# KiCad board panel.opm-lowside.kicad_pcb (continued)
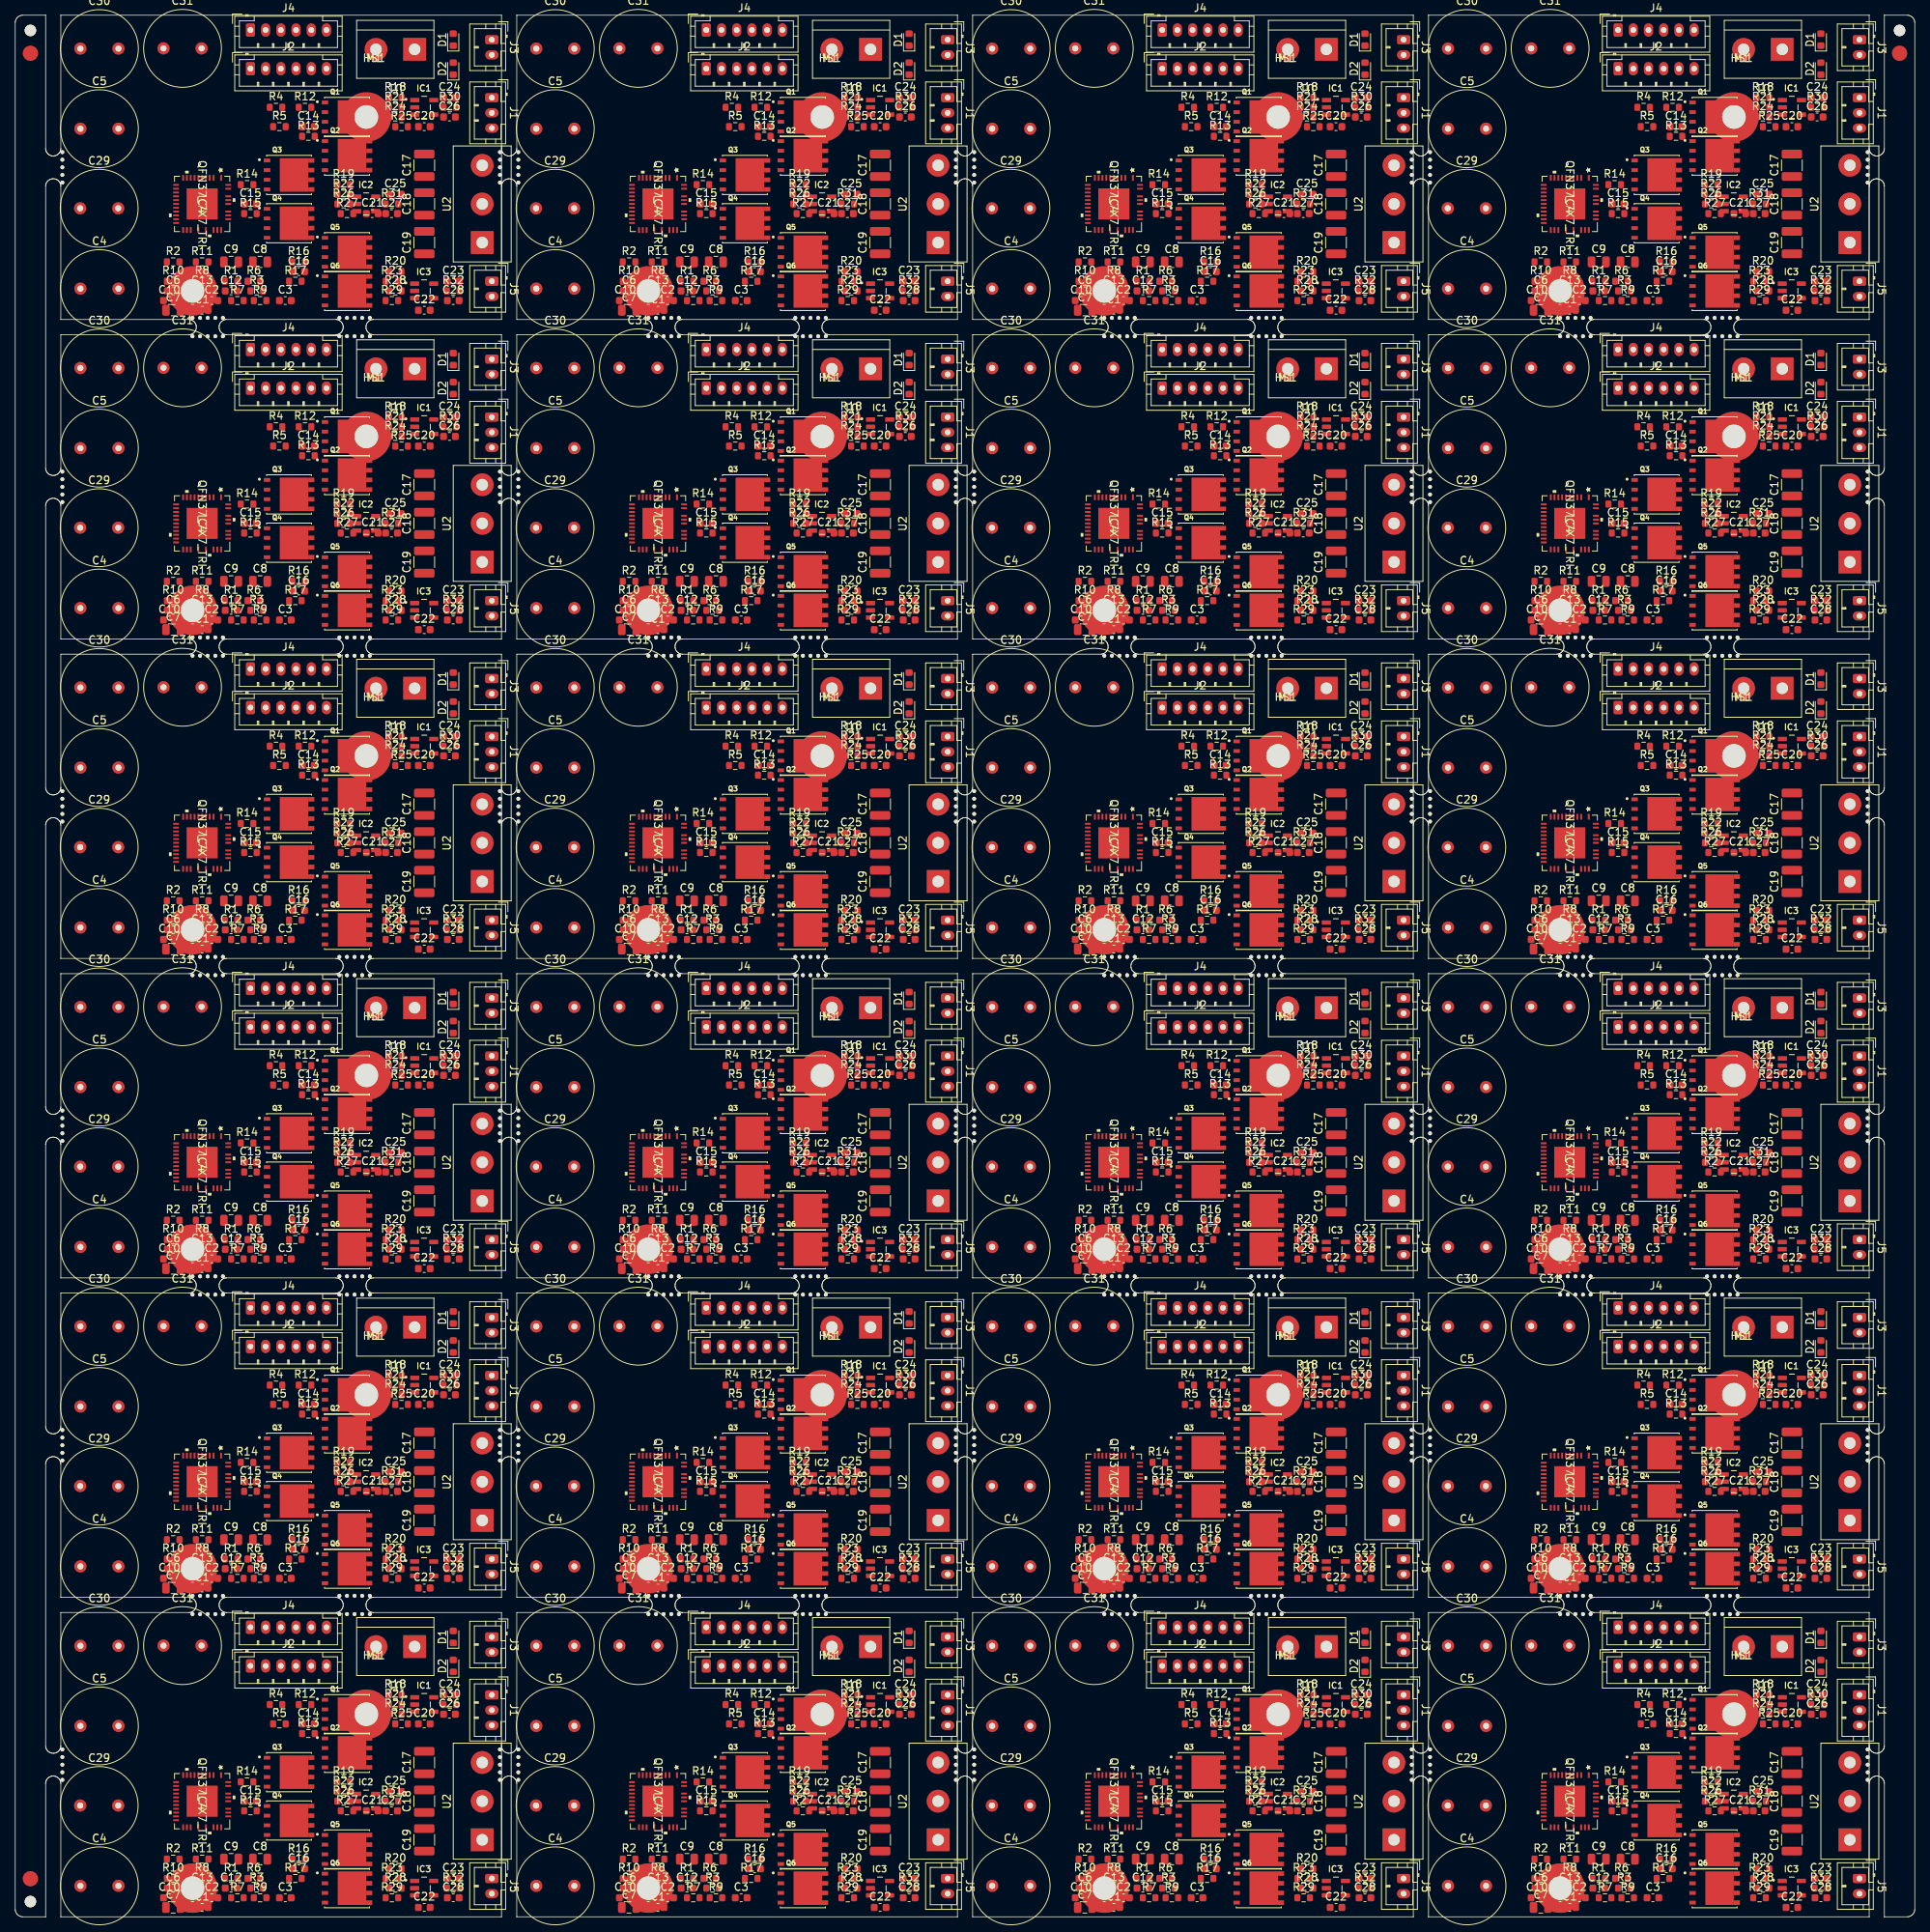
[diagram p0: board, top side]
## Placement (name value [footprint] x y rotation side) (continued)
REF**#196  -  [NPTH#2]  226.49 207.75 0 top
REF**#197  -  [NPTH#2]  207.17 168.16 0 top
REF**#198  -  [NPTH#2]  206.17 168.16 0 top
REF**#199  -  [NPTH#2]  205.17 168.16 0 top
REF**#200  -  [NPTH#2]  204.17 168.16 0 top
REF**#201  -  [NPTH#2]  203.17 168.16 0 top
REF**#202  -  [NPTH#2]  226.49 168.16 0 top
REF**#203  -  [NPTH#2]  225.49 168.16 0 top
REF**#204  -  [NPTH#2]  224.49 168.16 0 top
REF**#205  -  [NPTH#2]  223.49 168.16 0 top
REF**#206  -  [NPTH#2]  222.49 168.16 0 top
REF**#207  -  [NPTH#2]  6.2 143.97 0 top
REF**#208  -  [NPTH#2]  6.2 144.97 0 top
REF**#209  -  [NPTH#2]  6.2 145.97 0 top
REF**#210  -  [NPTH#2]  6.2 146.97 0 top
REF**#211  -  [NPTH#2]  6.2 147.97 0 top
REF**#212  -  [NPTH#2]  63.75 147.97 0 top
REF**#213  -  [NPTH#2]  63.75 146.97 0 top
REF**#214  -  [NPTH#2]  63.75 145.97 0 top
REF**#215  -  [NPTH#2]  63.75 144.97 0 top
REF**#216  -  [NPTH#2]  63.75 143.97 0 top
REF**#217  -  [NPTH#2]  23.31 165.76 0 top
REF**#218  -  [NPTH#2]  24.31 165.76 0 top
REF**#219  -  [NPTH#2]  25.31 165.76 0 top
REF**#220  -  [NPTH#2]  26.31 165.76 0 top
REF**#221  -  [NPTH#2]  27.31 165.76 0 top
REF**#222  -  [NPTH#2]  42.63 165.76 0 top
REF**#223  -  [NPTH#2]  43.63 165.76 0 top
REF**#224  -  [NPTH#2]  44.63 165.76 0 top
REF**#225  -  [NPTH#2]  45.63 165.76 0 top
REF**#226  -  [NPTH#2]  46.63 165.76 0 top
REF**#227  -  [NPTH#2]  27.31 126.17 0 top
REF**#228  -  [NPTH#2]  26.31 126.17 0 top
REF**#229  -  [NPTH#2]  25.31 126.17 0 top
REF**#230  -  [NPTH#2]  24.31 126.17 0 top
REF**#231  -  [NPTH#2]  23.31 126.17 0 top
REF**#232  -  [NPTH#2]  46.63 126.17 0 top
REF**#233  -  [NPTH#2]  45.63 126.17 0 top
REF**#234  -  [NPTH#2]  44.63 126.17 0 top
REF**#235  -  [NPTH#2]  43.63 126.17 0 top
REF**#236  -  [NPTH#2]  42.63 126.17 0 top
REF**#237  -  [NPTH#2]  66.16 143.97 0 top
REF**#238  -  [NPTH#2]  66.16 144.97 0 top
REF**#239  -  [NPTH#2]  66.16 145.97 0 top
REF**#240  -  [NPTH#2]  66.16 146.97 0 top
REF**#241  -  [NPTH#2]  66.16 147.97 0 top
REF**#242  -  [NPTH#2]  123.71 147.97 0 top
REF**#243  -  [NPTH#2]  123.71 146.97 0 top
REF**#244  -  [NPTH#2]  123.71 145.97 0 top
REF**#245  -  [NPTH#2]  123.71 144.97 0 top
REF**#246  -  [NPTH#2]  123.71 143.97 0 top
REF**#247  -  [NPTH#2]  83.27 165.76 0 top
REF**#248  -  [NPTH#2]  84.27 165.76 0 top
REF**#249  -  [NPTH#2]  85.27 165.76 0 top
REF**#250  -  [NPTH#2]  86.27 165.76 0 top
REF**#251  -  [NPTH#2]  87.27 165.76 0 top
REF**#252  -  [NPTH#2]  102.59 165.76 0 top
REF**#253  -  [NPTH#2]  103.59 165.76 0 top
REF**#254  -  [NPTH#2]  104.59 165.76 0 top
REF**#255  -  [NPTH#2]  105.59 165.76 0 top
REF**#256  -  [NPTH#2]  106.59 165.76 0 top
REF**#257  -  [NPTH#2]  87.27 126.17 0 top
REF**#258  -  [NPTH#2]  86.27 126.17 0 top
REF**#259  -  [NPTH#2]  85.27 126.17 0 top
REF**#260  -  [NPTH#2]  84.27 126.17 0 top
REF**#261  -  [NPTH#2]  83.27 126.17 0 top
REF**#262  -  [NPTH#2]  106.59 126.17 0 top
REF**#263  -  [NPTH#2]  105.59 126.17 0 top
REF**#264  -  [NPTH#2]  104.59 126.17 0 top
REF**#265  -  [NPTH#2]  103.59 126.17 0 top
REF**#266  -  [NPTH#2]  102.59 126.17 0 top
REF**#267  -  [NPTH#2]  126.11 143.97 0 top
REF**#268  -  [NPTH#2]  126.11 144.97 0 top
REF**#269  -  [NPTH#2]  126.11 145.97 0 top
REF**#270  -  [NPTH#2]  126.11 146.97 0 top
REF**#271  -  [NPTH#2]  126.11 147.97 0 top
REF**#272  -  [NPTH#2]  183.66 147.97 0 top
REF**#273  -  [NPTH#2]  183.66 146.97 0 top
REF**#274  -  [NPTH#2]  183.66 145.97 0 top
REF**#275  -  [NPTH#2]  183.66 144.97 0 top
REF**#276  -  [NPTH#2]  183.66 143.97 0 top
REF**#277  -  [NPTH#2]  143.22 165.76 0 top
REF**#278  -  [NPTH#2]  144.22 165.76 0 top
REF**#279  -  [NPTH#2]  145.22 165.76 0 top
REF**#280  -  [NPTH#2]  146.22 165.76 0 top
REF**#281  -  [NPTH#2]  147.22 165.76 0 top
REF**#282  -  [NPTH#2]  162.54 165.76 0 top
REF**#283  -  [NPTH#2]  163.54 165.76 0 top
REF**#284  -  [NPTH#2]  164.54 165.76 0 top
REF**#285  -  [NPTH#2]  165.54 165.76 0 top
REF**#286  -  [NPTH#2]  166.54 165.76 0 top
REF**#287  -  [NPTH#2]  147.22 126.17 0 top
REF**#288  -  [NPTH#2]  146.22 126.17 0 top
REF**#289  -  [NPTH#2]  145.22 126.17 0 top
REF**#290  -  [NPTH#2]  144.22 126.17 0 top
REF**#291  -  [NPTH#2]  143.22 126.17 0 top
REF**#292  -  [NPTH#2]  166.54 126.17 0 top
REF**#293  -  [NPTH#2]  165.54 126.17 0 top
REF**#294  -  [NPTH#2]  164.54 126.17 0 top
REF**#295  -  [NPTH#2]  163.54 126.17 0 top
REF**#296  -  [NPTH#2]  162.54 126.17 0 top
REF**#297  -  [NPTH#2]  186.06 143.97 0 top
REF**#298  -  [NPTH#2]  186.06 144.97 0 top
REF**#299  -  [NPTH#2]  186.06 145.97 0 top
REF**#300  -  [NPTH#2]  186.06 146.97 0 top
REF**#301  -  [NPTH#2]  186.06 147.97 0 top
REF**#302  -  [NPTH#2]  243.61 147.97 0 top
REF**#303  -  [NPTH#2]  243.61 146.97 0 top
REF**#304  -  [NPTH#2]  243.61 145.97 0 top
REF**#305  -  [NPTH#2]  243.61 144.97 0 top
REF**#306  -  [NPTH#2]  243.61 143.97 0 top
REF**#307  -  [NPTH#2]  203.17 165.76 0 top
REF**#308  -  [NPTH#2]  204.17 165.76 0 top
REF**#309  -  [NPTH#2]  205.17 165.76 0 top
REF**#310  -  [NPTH#2]  206.17 165.76 0 top
REF**#311  -  [NPTH#2]  207.17 165.76 0 top
REF**#312  -  [NPTH#2]  222.49 165.76 0 top
REF**#313  -  [NPTH#2]  223.49 165.76 0 top
REF**#314  -  [NPTH#2]  224.49 165.76 0 top
REF**#315  -  [NPTH#2]  225.49 165.76 0 top
REF**#316  -  [NPTH#2]  226.49 165.76 0 top
REF**#317  -  [NPTH#2]  207.17 126.17 0 top
REF**#318  -  [NPTH#2]  206.17 126.17 0 top
REF**#319  -  [NPTH#2]  205.17 126.17 0 top
REF**#320  -  [NPTH#2]  204.17 126.17 0 top
REF**#321  -  [NPTH#2]  203.17 126.17 0 top
REF**#322  -  [NPTH#2]  226.49 126.17 0 top
REF**#323  -  [NPTH#2]  225.49 126.17 0 top
REF**#324  -  [NPTH#2]  224.49 126.17 0 top
REF**#325  -  [NPTH#2]  223.49 126.17 0 top
REF**#326  -  [NPTH#2]  222.49 126.17 0 top
REF**#327  -  [NPTH#2]  6.2 101.98 0 top
REF**#328  -  [NPTH#2]  6.2 102.98 0 top
REF**#329  -  [NPTH#2]  6.2 103.98 0 top
REF**#330  -  [NPTH#2]  6.2 104.98 0 top
REF**#331  -  [NPTH#2]  6.2 105.98 0 top
REF**#332  -  [NPTH#2]  63.75 105.98 0 top
REF**#333  -  [NPTH#2]  63.75 104.98 0 top
REF**#334  -  [NPTH#2]  63.75 103.98 0 top
REF**#335  -  [NPTH#2]  63.75 102.98 0 top
REF**#336  -  [NPTH#2]  63.75 101.98 0 top
REF**#337  -  [NPTH#2]  23.31 123.77 0 top
REF**#338  -  [NPTH#2]  24.31 123.77 0 top
REF**#339  -  [NPTH#2]  25.31 123.77 0 top
REF**#340  -  [NPTH#2]  26.31 123.77 0 top
REF**#341  -  [NPTH#2]  27.31 123.77 0 top
REF**#342  -  [NPTH#2]  42.63 123.77 0 top
REF**#343  -  [NPTH#2]  43.63 123.77 0 top
REF**#344  -  [NPTH#2]  44.63 123.77 0 top
REF**#345  -  [NPTH#2]  45.63 123.77 0 top
REF**#346  -  [NPTH#2]  46.63 123.77 0 top
REF**#347  -  [NPTH#2]  27.31 84.18 0 top
REF**#348  -  [NPTH#2]  26.31 84.18 0 top
REF**#349  -  [NPTH#2]  25.31 84.18 0 top
REF**#350  -  [NPTH#2]  24.31 84.18 0 top
REF**#351  -  [NPTH#2]  23.31 84.18 0 top
REF**#352  -  [NPTH#2]  46.63 84.18 0 top
REF**#353  -  [NPTH#2]  45.63 84.18 0 top
REF**#354  -  [NPTH#2]  44.63 84.18 0 top
REF**#355  -  [NPTH#2]  43.63 84.18 0 top
REF**#356  -  [NPTH#2]  42.63 84.18 0 top
REF**#357  -  [NPTH#2]  66.16 101.98 0 top
REF**#358  -  [NPTH#2]  66.16 102.98 0 top
REF**#359  -  [NPTH#2]  66.16 103.98 0 top
REF**#360  -  [NPTH#2]  66.16 104.98 0 top
REF**#361  -  [NPTH#2]  66.16 105.98 0 top
REF**#362  -  [NPTH#2]  123.71 105.98 0 top
REF**#363  -  [NPTH#2]  123.71 104.98 0 top
REF**#364  -  [NPTH#2]  123.71 103.98 0 top
REF**#365  -  [NPTH#2]  123.71 102.98 0 top
REF**#366  -  [NPTH#2]  123.71 101.98 0 top
REF**#367  -  [NPTH#2]  83.27 123.77 0 top
REF**#368  -  [NPTH#2]  84.27 123.77 0 top
REF**#369  -  [NPTH#2]  85.27 123.77 0 top
REF**#370  -  [NPTH#2]  86.27 123.77 0 top
REF**#371  -  [NPTH#2]  87.27 123.77 0 top
REF**#372  -  [NPTH#2]  102.59 123.77 0 top
REF**#373  -  [NPTH#2]  103.59 123.77 0 top
REF**#374  -  [NPTH#2]  104.59 123.77 0 top
REF**#375  -  [NPTH#2]  105.59 123.77 0 top
REF**#376  -  [NPTH#2]  106.59 123.77 0 top
REF**#377  -  [NPTH#2]  87.27 84.18 0 top
REF**#378  -  [NPTH#2]  86.27 84.18 0 top
REF**#379  -  [NPTH#2]  85.27 84.18 0 top
REF**#380  -  [NPTH#2]  84.27 84.18 0 top
REF**#381  -  [NPTH#2]  83.27 84.18 0 top
REF**#382  -  [NPTH#2]  106.59 84.18 0 top
REF**#383  -  [NPTH#2]  105.59 84.18 0 top
REF**#384  -  [NPTH#2]  104.59 84.18 0 top
REF**#385  -  [NPTH#2]  103.59 84.18 0 top
REF**#386  -  [NPTH#2]  102.59 84.18 0 top
REF**#387  -  [NPTH#2]  126.11 101.98 0 top
REF**#388  -  [NPTH#2]  126.11 102.98 0 top
REF**#389  -  [NPTH#2]  126.11 103.98 0 top
REF**#390  -  [NPTH#2]  126.11 104.98 0 top
REF**#391  -  [NPTH#2]  126.11 105.98 0 top
REF**#392  -  [NPTH#2]  183.66 105.98 0 top
REF**#393  -  [NPTH#2]  183.66 104.98 0 top
REF**#394  -  [NPTH#2]  183.66 103.98 0 top
REF**#395  -  [NPTH#2]  183.66 102.98 0 top
REF**#396  -  [NPTH#2]  183.66 101.98 0 top
REF**#397  -  [NPTH#2]  143.22 123.77 0 top
REF**#398  -  [NPTH#2]  144.22 123.77 0 top
REF**#399  -  [NPTH#2]  145.22 123.77 0 top
REF**#400  -  [NPTH#2]  146.22 123.77 0 top
REF**#401  -  [NPTH#2]  147.22 123.77 0 top
REF**#402  -  [NPTH#2]  162.54 123.77 0 top
REF**#403  -  [NPTH#2]  163.54 123.77 0 top
REF**#404  -  [NPTH#2]  164.54 123.77 0 top
REF**#405  -  [NPTH#2]  165.54 123.77 0 top
REF**#406  -  [NPTH#2]  166.54 123.77 0 top
REF**#407  -  [NPTH#2]  147.22 84.18 0 top
REF**#408  -  [NPTH#2]  146.22 84.18 0 top
REF**#409  -  [NPTH#2]  145.22 84.18 0 top
REF**#410  -  [NPTH#2]  144.22 84.18 0 top
REF**#411  -  [NPTH#2]  143.22 84.18 0 top
REF**#412  -  [NPTH#2]  166.54 84.18 0 top
REF**#413  -  [NPTH#2]  165.54 84.18 0 top
REF**#414  -  [NPTH#2]  164.54 84.18 0 top
REF**#415  -  [NPTH#2]  163.54 84.18 0 top
REF**#416  -  [NPTH#2]  162.54 84.18 0 top
REF**#417  -  [NPTH#2]  186.06 101.98 0 top
REF**#418  -  [NPTH#2]  186.06 102.98 0 top
REF**#419  -  [NPTH#2]  186.06 103.98 0 top
REF**#420  -  [NPTH#2]  186.06 104.98 0 top
REF**#421  -  [NPTH#2]  186.06 105.98 0 top
REF**#422  -  [NPTH#2]  243.61 105.98 0 top
REF**#423  -  [NPTH#2]  243.61 104.98 0 top
REF**#424  -  [NPTH#2]  243.61 103.98 0 top
REF**#425  -  [NPTH#2]  243.61 102.98 0 top
REF**#426  -  [NPTH#2]  243.61 101.98 0 top
REF**#427  -  [NPTH#2]  203.17 123.77 0 top
REF**#428  -  [NPTH#2]  204.17 123.77 0 top
REF**#429  -  [NPTH#2]  205.17 123.77 0 top
REF**#430  -  [NPTH#2]  206.17 123.77 0 top
REF**#431  -  [NPTH#2]  207.17 123.77 0 top
REF**#432  -  [NPTH#2]  222.49 123.77 0 top
REF**#433  -  [NPTH#2]  223.49 123.77 0 top
REF**#434  -  [NPTH#2]  224.49 123.77 0 top
REF**#435  -  [NPTH#2]  225.49 123.77 0 top
REF**#436  -  [NPTH#2]  226.49 123.77 0 top
REF**#437  -  [NPTH#2]  207.17 84.18 0 top
REF**#438  -  [NPTH#2]  206.17 84.18 0 top
REF**#439  -  [NPTH#2]  205.17 84.18 0 top
REF**#440  -  [NPTH#2]  204.17 84.18 0 top
REF**#441  -  [NPTH#2]  203.17 84.18 0 top
REF**#442  -  [NPTH#2]  226.49 84.18 0 top
REF**#443  -  [NPTH#2]  225.49 84.18 0 top
REF**#444  -  [NPTH#2]  224.49 84.18 0 top
REF**#445  -  [NPTH#2]  223.49 84.18 0 top
REF**#446  -  [NPTH#2]  222.49 84.18 0 top
REF**#447  -  [NPTH#2]  6.2 59.99 0 top
REF**#448  -  [NPTH#2]  6.2 60.99 0 top
REF**#449  -  [NPTH#2]  6.2 61.99 0 top
REF**#450  -  [NPTH#2]  6.2 62.99 0 top
REF**#451  -  [NPTH#2]  6.2 63.99 0 top
REF**#452  -  [NPTH#2]  63.75 63.99 0 top
REF**#453  -  [NPTH#2]  63.75 62.99 0 top
REF**#454  -  [NPTH#2]  63.75 61.99 0 top
REF**#455  -  [NPTH#2]  63.75 60.99 0 top
REF**#456  -  [NPTH#2]  63.75 59.99 0 top
REF**#457  -  [NPTH#2]  23.31 81.78 0 top
REF**#458  -  [NPTH#2]  24.31 81.78 0 top
REF**#459  -  [NPTH#2]  25.31 81.78 0 top
REF**#460  -  [NPTH#2]  26.31 81.78 0 top
REF**#461  -  [NPTH#2]  27.31 81.78 0 top
REF**#462  -  [NPTH#2]  42.63 81.78 0 top
REF**#463  -  [NPTH#2]  43.63 81.78 0 top
REF**#464  -  [NPTH#2]  44.63 81.78 0 top
REF**#465  -  [NPTH#2]  45.63 81.78 0 top
REF**#466  -  [NPTH#2]  46.63 81.78 0 top
REF**#467  -  [NPTH#2]  27.31 42.19 0 top
REF**#468  -  [NPTH#2]  26.31 42.19 0 top
REF**#469  -  [NPTH#2]  25.31 42.19 0 top
REF**#470  -  [NPTH#2]  24.31 42.19 0 top
REF**#471  -  [NPTH#2]  23.31 42.19 0 top
REF**#472  -  [NPTH#2]  46.63 42.19 0 top
REF**#473  -  [NPTH#2]  45.63 42.19 0 top
REF**#474  -  [NPTH#2]  44.63 42.19 0 top
REF**#475  -  [NPTH#2]  43.63 42.19 0 top
REF**#476  -  [NPTH#2]  42.63 42.19 0 top
REF**#477  -  [NPTH#2]  66.16 59.99 0 top
REF**#478  -  [NPTH#2]  66.16 60.99 0 top
REF**#479  -  [NPTH#2]  66.16 61.99 0 top
REF**#480  -  [NPTH#2]  66.16 62.99 0 top
REF**#481  -  [NPTH#2]  66.16 63.99 0 top
REF**#482  -  [NPTH#2]  123.71 63.99 0 top
REF**#483  -  [NPTH#2]  123.71 62.99 0 top
REF**#484  -  [NPTH#2]  123.71 61.99 0 top
REF**#485  -  [NPTH#2]  123.71 60.99 0 top
REF**#486  -  [NPTH#2]  123.71 59.99 0 top
REF**#487  -  [NPTH#2]  83.27 81.78 0 top
REF**#488  -  [NPTH#2]  84.27 81.78 0 top
REF**#489  -  [NPTH#2]  85.27 81.78 0 top
REF**#490  -  [NPTH#2]  86.27 81.78 0 top
REF**#491  -  [NPTH#2]  87.27 81.78 0 top
REF**#492  -  [NPTH#2]  102.59 81.78 0 top
REF**#493  -  [NPTH#2]  103.59 81.78 0 top
REF**#494  -  [NPTH#2]  104.59 81.78 0 top
REF**#495  -  [NPTH#2]  105.59 81.78 0 top
REF**#496  -  [NPTH#2]  106.59 81.78 0 top
REF**#497  -  [NPTH#2]  87.27 42.19 0 top
REF**#498  -  [NPTH#2]  86.27 42.19 0 top
REF**#499  -  [NPTH#2]  85.27 42.19 0 top
REF**#500  -  [NPTH#2]  84.27 42.19 0 top
REF**#501  -  [NPTH#2]  83.27 42.19 0 top
REF**#502  -  [NPTH#2]  106.59 42.19 0 top
REF**#503  -  [NPTH#2]  105.59 42.19 0 top
REF**#504  -  [NPTH#2]  104.59 42.19 0 top
REF**#505  -  [NPTH#2]  103.59 42.19 0 top
REF**#506  -  [NPTH#2]  102.59 42.19 0 top
REF**#507  -  [NPTH#2]  126.11 59.99 0 top
REF**#508  -  [NPTH#2]  126.11 60.99 0 top
REF**#509  -  [NPTH#2]  126.11 61.99 0 top
REF**#510  -  [NPTH#2]  126.11 62.99 0 top
REF**#511  -  [NPTH#2]  126.11 63.99 0 top
REF**#512  -  [NPTH#2]  183.66 63.99 0 top
REF**#513  -  [NPTH#2]  183.66 62.99 0 top
REF**#514  -  [NPTH#2]  183.66 61.99 0 top
REF**#515  -  [NPTH#2]  183.66 60.99 0 top
REF**#516  -  [NPTH#2]  183.66 59.99 0 top
REF**#517  -  [NPTH#2]  143.22 81.78 0 top
REF**#518  -  [NPTH#2]  144.22 81.78 0 top
REF**#519  -  [NPTH#2]  145.22 81.78 0 top
REF**#520  -  [NPTH#2]  146.22 81.78 0 top
REF**#521  -  [NPTH#2]  147.22 81.78 0 top
REF**#522  -  [NPTH#2]  162.54 81.78 0 top
REF**#523  -  [NPTH#2]  163.54 81.78 0 top
REF**#524  -  [NPTH#2]  164.54 81.78 0 top
REF**#525  -  [NPTH#2]  165.54 81.78 0 top
REF**#526  -  [NPTH#2]  166.54 81.78 0 top
REF**#527  -  [NPTH#2]  147.22 42.19 0 top
REF**#528  -  [NPTH#2]  146.22 42.19 0 top
REF**#529  -  [NPTH#2]  145.22 42.19 0 top
REF**#530  -  [NPTH#2]  144.22 42.19 0 top
REF**#531  -  [NPTH#2]  143.22 42.19 0 top
REF**#532  -  [NPTH#2]  166.54 42.19 0 top
REF**#533  -  [NPTH#2]  165.54 42.19 0 top
REF**#534  -  [NPTH#2]  164.54 42.19 0 top
REF**#535  -  [NPTH#2]  163.54 42.19 0 top
REF**#536  -  [NPTH#2]  162.54 42.19 0 top
REF**#537  -  [NPTH#2]  186.06 59.99 0 top
REF**#538  -  [NPTH#2]  186.06 60.99 0 top
REF**#539  -  [NPTH#2]  186.06 61.99 0 top
REF**#540  -  [NPTH#2]  186.06 62.99 0 top
REF**#541  -  [NPTH#2]  186.06 63.99 0 top
REF**#542  -  [NPTH#2]  243.61 63.99 0 top
REF**#543  -  [NPTH#2]  243.61 62.99 0 top
REF**#544  -  [NPTH#2]  243.61 61.99 0 top
REF**#545  -  [NPTH#2]  243.61 60.99 0 top
REF**#546  -  [NPTH#2]  243.61 59.99 0 top
REF**#547  -  [NPTH#2]  203.17 81.78 0 top
REF**#548  -  [NPTH#2]  204.17 81.78 0 top
REF**#549  -  [NPTH#2]  205.17 81.78 0 top
REF**#550  -  [NPTH#2]  206.17 81.78 0 top
REF**#551  -  [NPTH#2]  207.17 81.78 0 top
REF**#552  -  [NPTH#2]  222.49 81.78 0 top
REF**#553  -  [NPTH#2]  223.49 81.78 0 top
REF**#554  -  [NPTH#2]  224.49 81.78 0 top
REF**#555  -  [NPTH#2]  225.49 81.78 0 top
REF**#556  -  [NPTH#2]  226.49 81.78 0 top
REF**#557  -  [NPTH#2]  207.17 42.19 0 top
REF**#558  -  [NPTH#2]  206.17 42.19 0 top
REF**#559  -  [NPTH#2]  205.17 42.19 0 top
REF**#560  -  [NPTH#2]  204.17 42.19 0 top
REF**#561  -  [NPTH#2]  203.17 42.19 0 top
REF**#562  -  [NPTH#2]  226.49 42.19 0 top
REF**#563  -  [NPTH#2]  225.49 42.19 0 top
REF**#564  -  [NPTH#2]  224.49 42.19 0 top
REF**#565  -  [NPTH#2]  223.49 42.19 0 top
REF**#566  -  [NPTH#2]  222.49 42.19 0 top
REF**#567  -  [NPTH#2]  6.2 18 0 top
REF**#568  -  [NPTH#2]  6.2 19 0 top
REF**#569  -  [NPTH#2]  6.2 20 0 top
REF**#570  -  [NPTH#2]  6.2 21 0 top
REF**#571  -  [NPTH#2]  6.2 22 0 top
REF**#572  -  [NPTH#2]  63.75 22 0 top
REF**#573  -  [NPTH#2]  63.75 21 0 top
REF**#574  -  [NPTH#2]  63.75 20 0 top
REF**#575  -  [NPTH#2]  63.75 19 0 top
REF**#576  -  [NPTH#2]  63.75 18 0 top
REF**#577  -  [NPTH#2]  23.31 39.79 0 top
REF**#578  -  [NPTH#2]  24.31 39.79 0 top
REF**#579  -  [NPTH#2]  25.31 39.79 0 top
REF**#580  -  [NPTH#2]  26.31 39.79 0 top
REF**#581  -  [NPTH#2]  27.31 39.79 0 top
REF**#582  -  [NPTH#2]  42.63 39.79 0 top
REF**#583  -  [NPTH#2]  43.63 39.79 0 top
REF**#584  -  [NPTH#2]  44.63 39.79 0 top
REF**#585  -  [NPTH#2]  45.63 39.79 0 top
REF**#586  -  [NPTH#2]  46.63 39.79 0 top
REF**#587  -  [NPTH#2]  66.16 18 0 top
REF**#588  -  [NPTH#2]  66.16 19 0 top
REF**#589  -  [NPTH#2]  66.16 20 0 top
REF**#590  -  [NPTH#2]  66.16 21 0 top
REF**#591  -  [NPTH#2]  66.16 22 0 top
REF**#592  -  [NPTH#2]  123.71 22 0 top
REF**#593  -  [NPTH#2]  123.71 21 0 top
REF**#594  -  [NPTH#2]  123.71 20 0 top
REF**#595  -  [NPTH#2]  123.71 19 0 top
REF**#596  -  [NPTH#2]  123.71 18 0 top
REF**#597  -  [NPTH#2]  83.27 39.79 0 top
REF**#598  -  [NPTH#2]  84.27 39.79 0 top
REF**#599  -  [NPTH#2]  85.27 39.79 0 top
REF**#600  -  [NPTH#2]  86.27 39.79 0 top
REF**#601  -  [NPTH#2]  87.27 39.79 0 top
REF**#602  -  [NPTH#2]  102.59 39.79 0 top
REF**#603  -  [NPTH#2]  103.59 39.79 0 top
REF**#604  -  [NPTH#2]  104.59 39.79 0 top
REF**#605  -  [NPTH#2]  105.59 39.79 0 top
REF**#606  -  [NPTH#2]  106.59 39.79 0 top
REF**#607  -  [NPTH#2]  126.11 18 0 top
REF**#608  -  [NPTH#2]  126.11 19 0 top
REF**#609  -  [NPTH#2]  126.11 20 0 top
REF**#610  -  [NPTH#2]  126.11 21 0 top
REF**#611  -  [NPTH#2]  126.11 22 0 top
REF**#612  -  [NPTH#2]  183.66 22 0 top
REF**#613  -  [NPTH#2]  183.66 21 0 top
REF**#614  -  [NPTH#2]  183.66 20 0 top
REF**#615  -  [NPTH#2]  183.66 19 0 top
REF**#616  -  [NPTH#2]  183.66 18 0 top
REF**#617  -  [NPTH#2]  143.22 39.79 0 top
REF**#618  -  [NPTH#2]  144.22 39.79 0 top
REF**#619  -  [NPTH#2]  145.22 39.79 0 top
REF**#620  -  [NPTH#2]  146.22 39.79 0 top
REF**#621  -  [NPTH#2]  147.22 39.79 0 top
REF**#622  -  [NPTH#2]  162.54 39.79 0 top
REF**#623  -  [NPTH#2]  163.54 39.79 0 top
REF**#624  -  [NPTH#2]  164.54 39.79 0 top
REF**#625  -  [NPTH#2]  165.54 39.79 0 top
REF**#626  -  [NPTH#2]  166.54 39.79 0 top
REF**#627  -  [NPTH#2]  186.06 18 0 top
REF**#628  -  [NPTH#2]  186.06 19 0 top
REF**#629  -  [NPTH#2]  186.06 20 0 top
REF**#630  -  [NPTH#2]  186.06 21 0 top
REF**#631  -  [NPTH#2]  186.06 22 0 top
REF**#632  -  [NPTH#2]  243.61 22 0 top
REF**#633  -  [NPTH#2]  243.61 21 0 top
REF**#634  -  [NPTH#2]  243.61 20 0 top
REF**#635  -  [NPTH#2]  243.61 19 0 top
REF**#636  -  [NPTH#2]  243.61 18 0 top
REF**#637  -  [NPTH#2]  203.17 39.79 0 top
REF**#638  -  [NPTH#2]  204.17 39.79 0 top
REF**#639  -  [NPTH#2]  205.17 39.79 0 top
REF**#640  -  [NPTH#2]  206.17 39.79 0 top
REF**#641  -  [NPTH#2]  207.17 39.79 0 top
REF**#642  -  [NPTH#2]  222.49 39.79 0 top
REF**#643  -  [NPTH#2]  223.49 39.79 0 top
REF**#644  -  [NPTH#2]  224.49 39.79 0 top
REF**#645  -  [NPTH#2]  225.49 39.79 0 top
REF**#646  -  [NPTH#2]  226.49 39.79 0 top
REF**#647  -  [Fiducial]  2 244.95 0 bottom
REF**#648  -  [Fiducial]  247.8 244.95 0 bottom
REF**#649  -  [Fiducial]  2 5 0 bottom
U1  TerminalBlock_2_P5.08mm  [TerminalBlock_bornier-2_P5.08mm]  52.52 245.47 180 top
U1#2  TerminalBlock_2_P5.08mm  [TerminalBlock_bornier-2_P5.08mm]  112.47 245.47 180 top
U1#3  TerminalBlock_2_P5.08mm  [TerminalBlock_bornier-2_P5.08mm]  172.42 245.47 180 top
U1#4  TerminalBlock_2_P5.08mm  [TerminalBlock_bornier-2_P5.08mm]  232.37 245.47 180 top
U1#5  TerminalBlock_2_P5.08mm  [TerminalBlock_bornier-2_P5.08mm]  52.52 203.48 180 top
U1#6  TerminalBlock_2_P5.08mm  [TerminalBlock_bornier-2_P5.08mm]  112.47 203.48 180 top
U1#7  TerminalBlock_2_P5.08mm  [TerminalBlock_bornier-2_P5.08mm]  172.42 203.48 180 top
U1#8  TerminalBlock_2_P5.08mm  [TerminalBlock_bornier-2_P5.08mm]  232.37 203.48 180 top
U1#9  TerminalBlock_2_P5.08mm  [TerminalBlock_bornier-2_P5.08mm]  52.52 161.49 180 top
U1#10  TerminalBlock_2_P5.08mm  [TerminalBlock_bornier-2_P5.08mm]  112.47 161.49 180 top
U1#11  TerminalBlock_2_P5.08mm  [TerminalBlock_bornier-2_P5.08mm]  172.42 161.49 180 top
U1#12  TerminalBlock_2_P5.08mm  [TerminalBlock_bornier-2_P5.08mm]  232.37 161.49 180 top
U1#13  TerminalBlock_2_P5.08mm  [TerminalBlock_bornier-2_P5.08mm]  52.52 119.5 180 top
U1#14  TerminalBlock_2_P5.08mm  [TerminalBlock_bornier-2_P5.08mm]  112.47 119.5 180 top
U1#15  TerminalBlock_2_P5.08mm  [TerminalBlock_bornier-2_P5.08mm]  172.42 119.5 180 top
U1#16  TerminalBlock_2_P5.08mm  [TerminalBlock_bornier-2_P5.08mm]  232.37 119.5 180 top
U1#17  TerminalBlock_2_P5.08mm  [TerminalBlock_bornier-2_P5.08mm]  52.52 77.51 180 top
U1#18  TerminalBlock_2_P5.08mm  [TerminalBlock_bornier-2_P5.08mm]  112.47 77.51 180 top
U1#19  TerminalBlock_2_P5.08mm  [TerminalBlock_bornier-2_P5.08mm]  172.42 77.51 180 top
U1#20  TerminalBlock_2_P5.08mm  [TerminalBlock_bornier-2_P5.08mm]  232.37 77.51 180 top
U1#21  TerminalBlock_2_P5.08mm  [TerminalBlock_bornier-2_P5.08mm]  52.52 35.52 180 top
U1#22  TerminalBlock_2_P5.08mm  [TerminalBlock_bornier-2_P5.08mm]  112.47 35.52 180 top
U1#23  TerminalBlock_2_P5.08mm  [TerminalBlock_bornier-2_P5.08mm]  172.42 35.52 180 top
U1#24  TerminalBlock_2_P5.08mm  [TerminalBlock_bornier-2_P5.08mm]  232.37 35.52 180 top
U2  TerminalBlock_3_P5.08mm  [TerminalBlock_bornier-3_P5.08mm]  61.41 220.07 90 top
U2#2  TerminalBlock_3_P5.08mm  [TerminalBlock_bornier-3_P5.08mm]  121.36 220.07 90 top
U2#3  TerminalBlock_3_P5.08mm  [TerminalBlock_bornier-3_P5.08mm]  181.31 220.07 90 top
U2#4  TerminalBlock_3_P5.08mm  [TerminalBlock_bornier-3_P5.08mm]  241.26 220.07 90 top
U2#5  TerminalBlock_3_P5.08mm  [TerminalBlock_bornier-3_P5.08mm]  61.41 178.08 90 top
U2#6  TerminalBlock_3_P5.08mm  [TerminalBlock_bornier-3_P5.08mm]  121.36 178.08 90 top
U2#7  TerminalBlock_3_P5.08mm  [TerminalBlock_bornier-3_P5.08mm]  181.31 178.08 90 top
U2#8  TerminalBlock_3_P5.08mm  [TerminalBlock_bornier-3_P5.08mm]  241.26 178.08 90 top
U2#9  TerminalBlock_3_P5.08mm  [TerminalBlock_bornier-3_P5.08mm]  61.41 136.09 90 top
U2#10  TerminalBlock_3_P5.08mm  [TerminalBlock_bornier-3_P5.08mm]  121.36 136.09 90 top
U2#11  TerminalBlock_3_P5.08mm  [TerminalBlock_bornier-3_P5.08mm]  181.31 136.09 90 top
U2#12  TerminalBlock_3_P5.08mm  [TerminalBlock_bornier-3_P5.08mm]  241.26 136.09 90 top
U2#13  TerminalBlock_3_P5.08mm  [TerminalBlock_bornier-3_P5.08mm]  61.41 94.1 90 top
U2#14  TerminalBlock_3_P5.08mm  [TerminalBlock_bornier-3_P5.08mm]  121.36 94.1 90 top
U2#15  TerminalBlock_3_P5.08mm  [TerminalBlock_bornier-3_P5.08mm]  181.31 94.1 90 top
U2#16  TerminalBlock_3_P5.08mm  [TerminalBlock_bornier-3_P5.08mm]  241.26 94.1 90 top
U2#17  TerminalBlock_3_P5.08mm  [TerminalBlock_bornier-3_P5.08mm]  61.41 52.11 90 top
U2#18  TerminalBlock_3_P5.08mm  [TerminalBlock_bornier-3_P5.08mm]  121.36 52.11 90 top
U2#19  TerminalBlock_3_P5.08mm  [TerminalBlock_bornier-3_P5.08mm]  181.31 52.11 90 top
U2#20  TerminalBlock_3_P5.08mm  [TerminalBlock_bornier-3_P5.08mm]  241.26 52.11 90 top
U2#21  TerminalBlock_3_P5.08mm  [TerminalBlock_bornier-3_P5.08mm]  61.41 10.12 90 top
U2#22  TerminalBlock_3_P5.08mm  [TerminalBlock_bornier-3_P5.08mm]  121.36 10.12 90 top
U2#23  TerminalBlock_3_P5.08mm  [TerminalBlock_bornier-3_P5.08mm]  181.31 10.12 90 top
U2#24  TerminalBlock_3_P5.08mm  [TerminalBlock_bornier-3_P5.08mm]  241.26 10.12 90 top

## Footprints (pads in the part's own frame, mm; a bottom-side part is the same pattern mirrored in y, then rotated)
C_0603_1608Metric
  rrect 0.9x0.95 smd: 1(-0.775,0) 2(0.775,0)
C_0805_2012Metric
  rrect 1x1.45 smd: 1(-0.95,0) 2(0.95,0)
C_1210_3225Metric
  rrect 1.15x2.7 smd: 1(-1.475,0) 2(1.475,0)
C_Radial_D10.0mm_H20.0mm_P5.00mm
  round 1.6 hole 0.8: 1(0,0) 2(5,0)
Fiducial
  round 2 smd: (0,0)
Heatsink_30x30mm_2xFixation3mm
  round 6.497 hole 3.099: 1(3.81,3.81) 1(26.67,26.67)
JST_PH_B2B-PH-K_1x02_P2.00mm_Vertical
  rrect 1.2x1.75 hole 0.75: 1(0,0)
  oval 1.2x1.75 hole 0.75: 2(2,0)
JST_PH_B3B-PH-K_1x03_P2.00mm_Vertical
  rrect 1.2x1.75 hole 0.75: 1(0,0)
  oval 1.2x1.75 hole 0.75: 2(2,0) 3(4,0)
JST_PH_B6B-PH-K_1x06_P2.00mm_Vertical
  rrect 1.2x1.75 hole 0.75: 1(0,0)
  oval 1.2x1.75 hole 0.75: 2(2,0) 3(4,0) 4(6,0) 5(8,0) 6(10,0)
LED_0603_1608Metric
  rrect 0.875x0.95 smd: 1(-0.787,0) 2(0.787,0)
NPTH
  round 1.5 hole 1.5 unplated: (0,0)
NPTH#2
  round 0.5 hole 0.5 unplated: (0,0)
PDFN-8
  rect 0.85x0.5 smd: 1(-2.9,1.905) 2(-2.9,0.635) 3(-2.9,-0.635) 4(-2.9,-1.905)
  rect 0.8x0.6 smd: 5(2.925,-1.905) 6(2.925,-0.635) 7(2.925,0.635) 8(2.925,1.905)
  rect 3.75x4.41 smd: 9(0.65,0)
R_0603_1608Metric
  rrect 0.8x0.95 smd: 1(-0.825,0) 2(0.825,0)
SOT95P280X145-5N
  rrect 1.21x0.59 smd: 1(-1.255,0.95) 2(-1.255,0) 3(-1.255,-0.95) 4(1.255,-0.95) 5(1.255,0.95)
TerminalBlock_bornier-2_P5.08mm
  rect 3x3 hole 1.52: 1(0,0)
  round 3 hole 1.52: 2(5.08,0)
TerminalBlock_bornier-3_P5.08mm
  rect 3x3 hole 1.52: 1(0,0)
  round 3 hole 1.52: 2(5.08,0) 3(10.16,0)
TMC6100-LA
  rect 0.762x0.254 smd: 1(-3.429,2.5) 2(-3.429,1.5) 3(-3.429,1) 4(-3.429,0.5) 5(-3.429,0) 6(-3.429,-0.5) 7(-3.429,-1) 8(-3.429,-1.5) 9(-3.429,-2) 10(-3.429,-2.5) 22(3.429,-2.5) 23(3.429,-2) 24(3.429,-1.5) 25(3.429,-0.5) 26(3.429,0.5) 27(3.429,1.5) 28(3.429,2) 29(3.429,2.5)
  rect 0.254x0.762 smd: 11(-2.5,-3.429) 12(-2,-3.429) 13(-1.5,-3.429) 14(-1,-3.429) 15(-0.5,-3.429) 16(0,-3.429) 17(0.5,-3.429) 18(1,-3.429) 19(1.5,-3.429) 20(2,-3.429) 21(2.5,-3.429) 30(2,3.429) 31(1.5,3.429) 32(1,3.429) 33(0,3.429) 34(-0.5,3.429) 35(-1,3.429) 36(-2,3.429) 37(-2.5,3.429)
  rect 4.089x4.089 smd: 38(0,0)

## Nets
Board_0-/5Vout: C9.1 IC4.7
Board_0-/12Vout: C8.1 IC4.6
Board_0-/+Vcc_IO: C10.1 IC4.16
Board_0-/Connectors/+VCC_IO: R6.1 R8.1
Board_0-/Connectors/VCC: R4.2
